# Allegro board 038RT-9068CJK8E-A100_0921_1.brd (continued)
## Routing (per net, layer and track width the routed paths; a pad name or vN(x,y) marks a point on that pad's centre or on a via; arc(x,y) is an arc through that point) (continued)
  L09_SIGNAL w0.105: SG2_P1_TXD3.1 208.21,280.4 206.75,278.95 205.21,278.95 203.38,277.12 203.38,269.11 202.18,267.9 196.17,267.9 195.38,267.12 195.38,254.63 193.95,253.2 129.83,253.2 128.19,254.85 128.19,276.39 127.5,277.08 120.64,277.08 117.58,274.02 112.9,274.02 110.62,271.74 106.23,271.74 105.9,271.41
SG2_P1_TXEN: length 266.1
  L07_SIGNAL w0.105: v1(98.2,273.42) 98.2,273.74 98.48,274.02 116.19,274.02 116.5,273.72 116.5,272.63 116.19,272.32 106.87,272.32 105.88,273.31 101.32,273.31 101.08,273.07 101.08,272.36 101.26,272.18 104.17,272.18 104.76,271.58 116.62,271.58 117.14,272.1 118.52,272.1 118.55,272.06 123.5,272.06 123.93,272.49 123.93,273.03 123.48,273.49 121.59,273.49 121.24,273.83 121.24,274.6 121.59,274.95 126.18,274.95 126.86,275.62 v2(126.86,282.25)
  L15_SIGNAL w0.105: v2(126.86,282.25) 128.18,280.92 128.18,273.92 130.91,271.19 151.39,271.19 152.04,270.54 152.04,268.59 151.32,267.88 149.03,267.88 148.35,267.19 148.35,266 149.16,265.19 193.71,265.19 196.28,267.76 208.15,267.76 210.91,270.52 210.91,273.66 223.78,286.53 234.89,286.53 239.6,291.24 269.85,291.24 275.43,285.65 275.43,281.75 v1(274.78,281.09)
  BOTTOM w0.115: v1(274.78,281.09) UNK2RR525.2
SG2_P1_VDDIO:
  vias: v1(96.6,273.42) v1(96.6,271.82) v1(96.84,278.38) v1(97.38,279.84) v1(97.38,279.21) v1(97.4,272.62)
SG2_P2_GIGA_MDI+: length 23.8
  TOP w0.105: GOLD2.A16 85.23,270.85 62.25,270.85 UNK2T24.4
SG2_P2_GIGA_MDI-: length 23.8
  TOP w0.105: GOLD2.A15 85.23,270.39 62.25,270.39 UNK2T24.3
SG2_P2_LED: length 26.4
  L05_SIGNAL w0.102: v1(91.8,270.22) 91.4,270.62 91.4,273.74 91.5,273.84
  L05_SIGNAL w0.105: v2(88.76,295.26) 89.46,294.56 89.46,288.34 90.25,287.55 90.25,277.62 91.57,276.3 91.57,273.91 91.5,273.84
SG2_P3_GIGA_MDI+: length 25
  TOP w0.105: GOLD2.A18 85.23,272.45 84.43,272.45 83.34,273.54 72.99,273.54 71.04,275.49 62.25,275.49 UNK2T25.4
SG2_P3_GIGA_MDI-: length 25
  TOP w0.105: GOLD2.A17 85.23,271.99 84.23,271.99 83.15,273.08 72.8,273.08 70.85,275.03 62.25,275.03 UNK2T25.3
SG2_P3_LED: length 25.9
  L05_SIGNAL w0.102: 93,273.84 93,270.62 v1(92.6,270.22)
  L05_SIGNAL w0.105: v2(92.57,295.26) 93.21,294.62 93.21,288.49 92.57,287.84 92.57,277.52 93,277.09 93,273.84
SG2_P4_HSI+: length 43.8
  L46_SIGNAL w0.136: v3(129.49,285.45) 129.3,285.64 arc(129.11,285.76) 128.89,285.81 128.51,285.81 arc(128.42,285.79) 128.34,285.74 126.37,283.77 arc(126.15,283.62) 125.89,283.57 120.87,283.57 arc(120.78,283.55) 120.7,283.5 117.78,280.58 arc(117.73,280.5) 117.72,280.42 117.72,270.72 arc(117.66,270.46) 117.52,270.24 116.85,269.57 arc(116.63,269.42) 116.37,269.37 103.75,269.37 arc(103.66,269.35) 103.59,269.3 102.89,268.61 arc(102.67,268.46) 102.41,268.41 99.87,268.41 arc(99.61,268.36) 99.39,268.21 v1(99,267.82)
SG2_P4_HSI-: length 43.8
  L46_SIGNAL w0.136: v3(129.49,286.62) 129.3,286.43 arc(129.11,286.3) 128.89,286.26 128.51,286.26 arc(128.24,286.21) 128.02,286.06 127.41,285.44 arc(127.28,285.36) 127.14,285.33 127.11,285.33 arc(126.98,285.3) 126.87,285.23 126.83,285.19 arc(126.75,285.08) 126.73,284.95 126.73,284.92 arc(126.7,284.77) 126.62,284.65 126.05,284.09 arc(125.98,284.04) 125.89,284.02 120.87,284.02 arc(120.6,283.97) 120.38,283.82 117.46,280.9 arc(117.31,280.68) 117.26,280.42 117.26,270.72 arc(117.25,270.63) 117.2,270.56 116.53,269.89 arc(116.45,269.84) 116.37,269.82 103.75,269.82 arc(103.49,269.77) 103.27,269.62 102.57,268.93 arc(102.5,268.88) 102.41,268.86 99.4,268.86 arc(99.25,268.83) 99.13,268.75 v1(99,268.62)
SG2_P4_HSO+: length 46.2
  TOP w0.105: GOLD2.W13 99.89,268.71 arc(99.97,268.77) 100.07,268.79 100.65,268.79 arc(100.87,268.83) 101.05,268.95 102.36,270.26 arc(102.48,270.44) 102.52,270.66 102.52,282.22 arc(102.53,282.26) 102.55,282.3 110.18,289.92 arc(110.21,289.94) 110.25,289.95 127.03,289.95 arc(127.07,289.94) 127.1,289.92 128.63,288.39 arc(128.72,288.33) 128.82,288.31 128.93,288.31 arc(128.96,288.31) 128.98,288.3 arc(129.14,288.26) 129.28,288.16 v1(129.49,287.96)
SG2_P4_HSO-: length 46.2
  TOP w0.105: GOLD2.W14 99.89,269.33 arc(99.97,269.27) 100.07,269.25 100.65,269.25 arc(100.69,269.26) 100.72,269.28 102.03,270.59 arc(102.05,270.62) 102.06,270.66 102.06,282.22 arc(102.1,282.44) 102.23,282.62 109.85,290.25 arc(110.03,290.37) 110.25,290.41 127.03,290.41 arc(127.25,290.37) 127.43,290.25 128.83,288.84 arc(128.91,288.79) 129.01,288.77 129.03,288.77 arc(129.13,288.79) 129.21,288.85 v1(129.49,289.12)
SG2_P5_HSI+: length 33.8
  L03_SIGNAL w0.102: v4(99,269.42) 99.2,269.63 arc(99.42,269.77) 99.67,269.82 99.91,269.82 arc(100.01,269.84) 100.1,269.9 100.11,269.91 arc(100.2,269.97) 100.31,269.99 100.66,269.99 arc(100.9,270.04) 101.11,270.18
  L03_SIGNAL w0.136: 101.11,270.18 104.9,273.97 arc(104.98,274.02) 105.06,274.04 110.82,274.04 arc(110.9,274.02) 110.98,273.97 111.18,273.78 arc(111.4,273.63) 111.66,273.58 117.45,273.58 arc(117.71,273.63) 117.93,273.78 118.2,274.05 arc(118.28,274.1) 118.37,274.12 125.22,274.12 arc(125.48,274.17) 125.7,274.32 128.11,276.72 arc(128.18,276.77) 128.27,276.79 128.89,276.79 arc(129.11,276.75) 129.3,276.62 v1(129.49,276.43)
SG2_P5_HSI-: length 33.8
  L03_SIGNAL w0.102: v4(99,270.22) 99.2,270.43 arc(99.42,270.57) 99.67,270.62 99.91,270.62 arc(100.01,270.6) 100.1,270.54 100.19,270.45 100.22,270.45
  L03_SIGNAL w0.136: 100.22,270.45 100.49,270.45 arc(100.72,270.49) 100.91,270.62 104.58,274.29 arc(104.8,274.44) 105.06,274.49 110.82,274.49 arc(111.08,274.44) 111.3,274.29 111.5,274.1 arc(111.57,274.05) 111.66,274.03 117.45,274.03 arc(117.54,274.05) 117.61,274.1 117.88,274.37 arc(118.1,274.52) 118.37,274.57 125.22,274.57 arc(125.3,274.59) 125.38,274.63 127.79,277.04 arc(128.01,277.19) 128.27,277.24 128.95,277.24 arc(129.12,277.27) 129.26,277.37 v1(129.49,277.6)
SG2_P5_HSO+: length 37.5
  BOTTOM w0.105: UNK2CS72.2 129.23,279.2 arc(129.13,279.27) 129.01,279.29 128.91,279.29 arc(128.86,279.28) 128.81,279.25 126.87,277.31 arc(126.69,277.19) 126.47,277.14 119.23,277.14 arc(119.19,277.14) 119.16,277.11 118.05,276.01 arc(118.03,275.97) 118.02,275.93 118.02,270.68 arc(117.97,270.46) 117.85,270.27 117.22,269.64 arc(117.03,269.52) 116.82,269.47 104.79,269.47 arc(104.57,269.52) 104.39,269.64 103.67,270.36 arc(103.64,270.38) 103.6,270.39 100.07,270.39 arc(99.97,270.37) 99.89,270.31 v1(99.8,270.22)
SG2_P5_HSO-: length 37.5
  BOTTOM w0.105: UNK2CS71.2 129.29,279.91 arc(129.12,279.8) 128.92,279.76 128.79,279.76 arc(128.67,279.73) 128.57,279.67 126.55,277.64 arc(126.51,277.62) 126.47,277.61 119.23,277.61 arc(119.01,277.57) 118.83,277.44 117.72,276.34 arc(117.6,276.15) 117.55,275.93 117.55,270.68 arc(117.54,270.63) 117.52,270.6 116.89,269.97 arc(116.86,269.95) 116.82,269.94 104.79,269.94 arc(104.75,269.95) 104.72,269.97 104,270.69 arc(103.82,270.81) 103.6,270.85 100.07,270.85 arc(99.97,270.87) 99.89,270.93 v1(99.8,271.02)
SG2_P5_LDOOUT: length 29.2
  L05_SIGNAL w0.102: v1(93.4,267.82) 93.8,268.22 100.22,268.22
  L05_SIGNAL w0.105: v2(121.14,266.37) 118.68,268.84 102.59,268.84 101.97,268.22 100.22,268.22
  vias: v1(92.6,267.82)
SG2_P5_LED: length 25.8
  L05_SIGNAL w0.102: v1(93.4,270.22) 93.8,270.62 93.8,273.84
  L05_SIGNAL w0.105: v2(94.47,295.26) 94.79,294.94 94.79,289.02 94.13,288.35 94.13,277.89 93.8,277.56 93.8,273.84
SG2_P5_MDI+: length 6.7
  BOTTOM w0.105: v1(85.4,262.22) 85.23,262.05 83.89,262.05 82.84,261 82.84,259.01 82.38,258.55 81.98,258.55 UNK2T21.3
SG2_P5_MDI-: length 6.7
  BOTTOM w0.105: UNK2T21.4 81.98,258.09 82.57,258.09 83.3,258.82 83.3,260.81 84.08,261.59 85.23,261.59 v1(85.4,261.42)
SG2_P5_RXC: length 73.5
  L07_SIGNAL w0.105: v2(121.14,291.77) 118.31,294.6 100.88,294.6 100.4,294.12 98.01,294.12 96.81,292.92 91.04,292.92 89.09,290.98 89.09,288.88 88.11,287.9 85.11,287.9 v1(83.94,289.07)
  L09_SIGNAL w0.102: v1(90.2,273.42) 90.2,273.47 90.55,273.82 90.55,273.84
  L09_SIGNAL w0.105: v1(83.94,289.07) 84.75,289.88 84.75,291.43 85.89,292.57 91.58,292.57 92.59,291.56 92.59,284.63 90.55,282.58 90.55,273.84
  BOTTOM w0.115: v1(83.94,289.07) UNK2RR904.2
SG2_P5_RXD0: length 77.5
  L07_SIGNAL w0.105: v2(126.86,291.77) 129.85,291.77 130.42,292.34 130.42,294.94 128.99,296.37 86.26,296.37 85.16,295.27 85.16,289.87 85.5,289.53 87.54,289.53 v1(88,289.07)
  L09_SIGNAL w0.102: 87.8,273.84 v1(87.8,273.42)
  L09_SIGNAL w0.105: v1(88,289.07) 88,283.96 88.27,283.69 88.27,276.95 87.6,276.28 87.6,274.04 87.8,273.84
  BOTTOM w0.115: v1(88,289.07) UNK2RR900.2
SG2_P5_RXD1: length 71.8
  L07_SIGNAL w0.105: v1(90.04,291.13) 91.27,292.37 97.04,292.37 98.24,293.56 100.78,293.56 101.27,294.05 114.07,294.05 122.37,285.75 122.37,285.23 123.61,283.99 124.11,283.99 126.12,281.98 126.12,278.33 124.68,276.89 122.13,276.89 v2(121.14,275.9)
  L09_SIGNAL w0.102: v1(88.6,272.62) 88.28,272.94 88.21,273.01 88.21,273.84
  L09_SIGNAL w0.105: v1(90.04,291.13) 88.82,289.92 88.82,276.43 88.21,275.81 88.21,273.84
  BOTTOM w0.115: v1(90.04,291.13) UNK2RR901.2
SG2_P5_RXD2: length 89
  L09_SIGNAL w0.102: 91.44,273.84 91.39,273.79 91.39,272.46 91.16,272.23 89.2,272.23 88.99,272.44 88.99,273.03 v1(88.6,273.42)
  L09_SIGNAL w0.105: 91.44,273.84 91.64,274.04 91.64,274.27 94.16,276.79 94.16,287.71 93.42,288.45 93.42,290.3 93.79,290.67 104.69,290.67 v1(106.29,289.07) 107.68,290.46 107.68,291.67 107.19,292.16 93.7,292.16 93.33,292.53 93.33,293.38 93.7,293.76 124.33,293.76 124.95,293.14 v2(124.95,291.77)
  BOTTOM w0.115: v1(106.29,289.07) UNK2RR902.2
SG2_P5_RXD3: length 73.6
  L07_SIGNAL w0.105: v1(92.07,291.13) 92.75,291.81 97.27,291.81 98.47,293.01 101.75,293.01 102.23,293.49 111.61,293.49 117.13,287.97 117.48,287.97 117.67,288.16 117.67,288.5 113.87,292.29 113.87,292.63 114.15,292.91 114.42,292.91 121.81,285.52 121.81,285 124.32,282.5 124.32,279.71 v2(124.95,279.07)
  L09_SIGNAL w0.102: 89.96,273.84 89.96,273.77 89.79,273.6 89.79,273.01 v1(89.4,272.62)
  L09_SIGNAL w0.105: v1(92.07,291.13) 91.52,290.58 91.52,288.89 89.96,287.33 89.96,273.84
  BOTTOM w0.115: v1(92.07,291.13) UNK2RR903.2
SG2_P5_RXDV: length 75.9
  L07_SIGNAL w0.105: v2(123.05,291.77) 124.49,293.22 127.66,293.22 128.24,293.8 128.24,295.33 127.76,295.81 92.31,295.81 88.47,291.98 86.82,291.98 v1(85.97,291.13)
  L09_SIGNAL w0.102: 89.27,273.84 89.27,273.55 v1(89.4,273.42)
  L09_SIGNAL w0.105: 89.27,273.84 89.27,275.21 89.41,275.35 89.41,287.62 90.89,289.11 90.89,291.09 90.26,291.71 86.55,291.71 v1(85.97,291.13)
  BOTTOM w0.115: v1(85.97,291.13) UNK2RR905.2
SG2_P5_TXC: length 278.1
  L07_SIGNAL w0.102: 100.22,270.64 100.19,270.61 92.38,270.61 92.19,270.8 92.19,272.23 v1(91.8,272.62)
  L07_SIGNAL w0.105: v2(123.05,288.6) 123.05,288.4 128.2,283.25 128.2,274.21 124.94,270.95 124.48,270.95 117.74,270.95 116.78,269.99 103.24,269.99 102.59,270.64 100.22,270.64
  L15_SIGNAL w0.105: v2(123.05,288.6) 123.78,289.34 126.03,289.34 128.49,291.8 149.89,291.8 150.74,290.95 150.74,288.01 149.93,287.2 134.36,287.2 133.47,286.31 133.47,282.09 135.06,280.5 138.28,280.5 139.22,281.44 140.67,281.44 142.27,283.04 142.76,283.04 143.86,281.94 147.58,281.94 148.63,280.9 185.27,280.9 186.1,281.73 186.1,287.01 188.53,289.44 206.13,289.44 213.51,296.83 271.29,296.83 282.91,285.21 v1(282.91,284.9)
  BOTTOM w0.115: v1(282.91,284.9) UNK2RR924.2
SG2_P5_TXD0: length 73.2
  L09_SIGNAL w0.102: v1(92.6,272.62) 92.2,273.02 92.2,273.74
  L09_SIGNAL w0.105: 92.2,273.74 92.2,274.04 93.98,275.83 95.92,275.83 96.8,276.71 105.01,276.71 105.77,277.47 109.9,277.47 111.27,278.84 116.12,278.84 120.69,283.42 128.28,283.42 130.99,286.13 131.36,286.13 132.57,287.33 143.84,287.33 144.57,286.6 146.39,286.6 147.12,287.33 155.79,287.33 SG2_P5_TXD0.1
SG2_P5_TXD1: length 142.6
  L09_SIGNAL w0.105: v1(92.6,273.42) 94.45,275.27 96.15,275.27 96.95,276.07 109.7,276.07 111.75,278.13 116.46,278.13 119.12,280.79 124.73,280.79 126.66,282.72 128.37,282.72 131.22,285.57 136.32,285.57 136.94,286.19 143.32,286.19 145.66,283.85 149.12,283.85 149.89,283.08 149.89,266.75 150.97,265.66 165.78,265.66 166.47,266.36 166.47,273.38 167.26,274.17 176.79,274.17 177.76,275.14 177.76,278.91 176.66,280.01 164.02,280.01 162.63,281.4 158.52,281.4 SG2_P5_TXD1.1
SG2_P5_TXD2: length 162.3
  L09_SIGNAL w0.102: v1(93.4,272.62) 93.8,273.02 93.8,273.67 93.97,273.84
  L09_SIGNAL w0.105: 93.97,273.84 94.8,274.68 96.7,274.68 96.78,274.59 109.81,274.59 112.79,277.57 116.69,277.57 119.35,280.23 125.82,280.23 126.98,281.39 130.67,281.39 132.03,282.76 134.29,282.76 137.17,285.63 143.09,285.63 148,280.72 148,266.22 149.39,264.84 177.98,264.84 178.75,265.61 178.75,267.53 178.13,268.15 174.73,268.15 174.37,268.5 174.37,270.79 174.73,271.15 178.21,271.15 179.17,272.11 179.17,278.73 177.32,280.58 165.21,280.58 162.38,283.4 162.38,286.47 163.34,287.43 170.93,287.43 SG2_P5_TXD2.1
SG2_P5_TXD3: length 276.4
  L07_SIGNAL w0.102: 100.22,271.41 93.66,271.41 92.99,272.08 92.99,273.01 v1(93.4,273.42)
  L07_SIGNAL w0.105: 100.22,271.41 103.35,271.41 104.22,270.55 116.48,270.55 117.43,271.5 124.71,271.5 127.62,274.41 127.62,282.87 125.76,284.73 124.52,284.73 123.99,285.26 123.99,285.76 v2(121.14,288.6)
  L15_SIGNAL w0.105: v1(276.81,284.9) 276.81,285.97 270.94,291.84 239.14,291.84 236.4,289.11 218.17,289.11 214.79,285.73 214.79,279.23 209.58,274.02 209.58,271.5 208.35,270.27 197.31,270.27 196.14,271.44 167.9,271.44 166.55,270.09 166.55,267.05 165.59,266.09 154.53,266.09 153.91,266.71 153.91,270.69 154.74,271.52 162.84,271.52 163.72,272.41 163.72,277.23 163.09,277.87 149.67,277.87 144.04,272.25 134.13,272.25 133.34,273.03 133.34,275.05 129.96,278.43 129.96,282.69 124.6,288.04 121.7,288.04 v2(121.14,288.6)
  BOTTOM w0.115: v1(276.81,284.9) UNK2RR923.2
SG2_P5_TXEN: length 281.8
  L07_SIGNAL w0.102: 100.22,269.83 91.59,269.83 91.39,270.02 91.39,273.01 v1(91.8,273.42)
  L07_SIGNAL w0.105: 100.22,269.83 101.54,269.83 102.06,269.3 117.15,269.3 118.2,270.36 125.18,270.36 130.2,275.38 130.2,282.18 124.95,287.43 v2(124.95,288.6)
  L15_SIGNAL w0.105: v1(280.88,281.09) 280.16,281.82 280.16,286.74 271.27,295.63 214.09,295.63 207.1,288.63 190.81,288.63 189.14,286.96 189.14,281.15 188.13,280.14 148.28,280.14 147.12,281.31 144.18,281.31 141.98,279.11 133.61,279.11 132.69,280.03 132.69,286.93 133.65,287.89 149.28,287.89 149.95,288.56 149.95,290.02 149.34,290.62 128.14,290.62 126.12,288.6 v2(124.95,288.6)
  BOTTOM w0.115: v1(280.88,281.09) UNK2RR925.2
SG2_P5_VDDIO:
  vias: v1(87.8,272.62) v1(91,273.42) v1(91,272.62) v1(91.49,279.84) v1(91.49,279.21)
SG2_P6_CLKREQB: length 27
  L09_SIGNAL w0.105: v2(123.05,263.2) 122.27,263.2 118.64,259.57 108.59,259.57 107.54,258.53 98.69,258.53 v1(98.2,259.02)
SG2_P6_HSI+: length 34
  BOTTOM w0.14: UNK2CS107.2 130.58,263.07 129.32,263.07 128,261.75 120.56,261.75 118.58,259.77 103.62,259.77 100.57,262.81 100,262.81
  BOTTOM w0.15: 100,262.81 v1(99.8,263.02)
SG2_P6_HSI-: length 34
  BOTTOM w0.14: UNK2CS108.2 130.58,262.68 129.48,262.68 128.16,261.36 120.72,261.36 118.74,259.38 103.45,259.38 100.41,262.42 100,262.42
  BOTTOM w0.15: 100,262.42 v1(99.8,262.22)
SG2_P6_HSO+: length 24.6
  TOP w0.14: UNK2CS102.2 122.32,256.32 arc(122.11,256.45) 121.87,256.5 120.9,256.5 arc(120.63,256.55) 120.4,256.71 117.9,259.21 arc(117.8,259.28) 117.68,259.3 102.55,259.3 arc(102.28,259.36) 102.06,259.51 100.83,260.73 arc(100.73,260.8) 100.61,260.82 100,260.82
  TOP w0.15: 100,260.82 GOLD2.W3
SG2_P6_HSO-: length 24.6
  TOP w0.14: UNK2CS101.2 122.32,257.08 arc(122.11,256.94) 121.87,256.89 120.9,256.89 arc(120.78,256.92) 120.68,256.98 118.17,259.49 arc(117.94,259.64) 117.68,259.69 102.55,259.69 arc(102.43,259.72) 102.33,259.79 101.11,261.01 arc(100.88,261.16) 100.61,261.21 100.13,261.21 arc(100.01,261.24) 99.91,261.31
  TOP w0.15: GOLD2.W4 99.91,261.31
SG2_P6_ISOLATEB: length 43.7
  L05_SIGNAL w0.102: 98.6,258.6 98.6,259.27
  L05_SIGNAL w0.105: 98.6,258.6 98.6,258.23 99.99,256.83 99.99,253.62 110.96,242.66 129.16,242.66 v2(131.3,240.52) ; 98.6,259.27 98.6,259.42 v1(98.2,259.82)
SG2_P6_LANWAKEB: length 25.1
  L09_SIGNAL w0.102: 100.22,260.22 97.8,260.22 v1(97.4,259.82)
  L09_SIGNAL w0.105: 100.22,260.22 118.16,260.22 v2(121.14,263.2)
SG2_P6_LED: length 26.2
  L05_SIGNAL w0.102: 94.6,273.84 94.6,270.62 v1(94.2,270.22)
  L05_SIGNAL w0.105: v2(96.38,295.26) 96.74,294.9 96.74,288.68 96.38,288.32 96.38,285.68 94.88,284.18 94.88,277.51 94.6,277.23 94.6,273.84
SG2_P6_MDI+: length 5.7
  L46_SIGNAL w0.102: v1(86.2,263.02) 85.8,262.62 85.18,262.62 85,262.45 84.98,262.45
  L46_SIGNAL w0.136: v1(81.46,263.77) 81.46,263.43 81.59,263.3 83.64,263.3 84.49,262.45 84.98,262.45
SG2_P6_MDI-: length 5.7
  L46_SIGNAL w0.102: 84.98,261.99 85,261.99 85.18,261.82 85.8,261.82 v1(86.2,262.22)
  L46_SIGNAL w0.136: v1(81.46,262.37) 81.46,262.71 81.59,262.85 83.45,262.85 84.3,261.99 84.98,261.99
SG2_P6_PCIE_RESETB: length 26.9
  L03_SIGNAL w0.145: v1(99,259.02) 99,257.43 102.48,253.95 102.48,251.2 112.95,240.72 112.95,238.68 v2(113.52,238.11)
SG2_P6_REFCLK+: length 32.1
  L05_SIGNAL w0.1: 100.46,259.64 101.43,259.64 104.39,256.68 106.71,256.68 108.93,254.47 112.53,254.47 118.38,248.62 122.5,248.62 122.62,248.5 122.62,248.3 122.74,248.18 122.9,248.18 123.02,248.3 123.02,248.5 123.14,248.62 123.56,248.62 123.82,248.35 123.82,247.42 123.72,247.32 v2(123.05,247.32)
  L05_SIGNAL w0.102: v1(99,259.82) 99.4,259.42 100.1,259.42 100.31,259.64 100.46,259.64 100.46,259.64
SG2_P6_REFCLK-: length 32.1
  L05_SIGNAL w0.1: v2(124.95,247.32) 124.28,247.32 124.18,247.42 124.18,248.5 123.71,248.98 118.53,248.98 112.68,254.83 109.08,254.83 106.87,257.04 104.54,257.04 101.59,260 100.46,260
  L05_SIGNAL w0.102: 100.46,260 100.31,260 100.1,260.22 99.4,260.22 v1(99,260.62)
SG2_P7_CLKREQB: length 31.4
  L09_SIGNAL w0.102: v1(96.6,262.22) 97,262.62 100.05,262.62 100.06,262.62 100.22,262.62
  L09_SIGNAL w0.105: v2(124.95,269.55) 123.98,268.57 120.94,268.57 116.68,264.32 105.94,264.32 104.24,262.62 100.22,262.62
SG2_P7_HSI+: length 32.8
  BOTTOM w0.14: UNK2CS117.2 130.58,265.93 127.94,265.93 126.7,264.7 104.43,264.7 102.3,266.83 99.99,266.83
  BOTTOM w0.15: v1(99.8,267.02) 99.99,266.83
SG2_P7_HSI-: length 32.8
  BOTTOM w0.14: UNK2CS118.2 130.58,265.54 128.1,265.54 126.87,264.31 104.27,264.31 102.14,266.44 100.16,266.44 100.16,266.43 100.01,266.43 100,266.42
  BOTTOM w0.15: 100,266.42 v1(99.8,266.22)
SG2_P7_HSO+: length 26.2
  TOP w0.14: UNK2CS112.2 122.32,258.82 arc(122.11,258.96) 121.87,259.01 121.69,259.01 arc(121.42,259.06) 121.2,259.21 119.48,260.93 arc(119.33,261.16) 119.28,261.42 119.28,262.63 arc(119.26,262.75) 119.19,262.85 117.98,264.06 arc(117.88,264.13) 117.76,264.15 102.15,264.15 arc(101.88,264.2) 101.65,264.36 101.28,264.73 arc(101.18,264.8) 101.06,264.82 100.13,264.82 arc(100.01,264.8) 99.91,264.73
  TOP w0.15: 99.91,264.73 GOLD2.W8
SG2_P7_HSO-: length 26.2
  TOP w0.14: 100,265.21 101.06,265.21 arc(101.32,265.16) 101.55,265.01 101.93,264.63 arc(102.03,264.56) 102.15,264.54 117.76,264.54 arc(118.03,264.49) 118.25,264.34 119.46,263.12 arc(119.62,262.9) 119.67,262.63 119.67,261.42 arc(119.69,261.3) 119.76,261.2 121.47,259.49 arc(121.57,259.42) 121.69,259.4 121.87,259.4 arc(122.11,259.45) 122.32,259.58 UNK2CS111.2
  TOP w0.15: 100,265.21 GOLD2.W9
SG2_P7_ISOLATEB: length 45.1
  L05_SIGNAL w0.102: v1(97.4,261.42) 97.8,261.02 97.8,258.6
  L05_SIGNAL w0.105: 97.8,258.6 97.8,257.89 99.02,256.67 99.02,253.3 110.23,242.09 128.46,242.09 v2(130.03,240.52)
SG2_P7_LANWAKEB: length 30.7
  L09_SIGNAL w0.102: 100.22,261.02 100.06,261.02 100.05,261.02 97,261.02 v1(96.6,261.42)
  L09_SIGNAL w0.105: 100.22,261.02 105.14,261.02 106.31,262.18 117.59,262.18 120.71,265.31 123.88,265.31 v2(124.95,266.37)
SG2_P7_PCIE_RESETB: length 31.2
  L05_SIGNAL w0.102: 97,258.6 97,261.82 v1(97.4,262.22)
  L05_SIGNAL w0.105: 97,258.6 97,257.11 98.39,255.72 98.39,252.88 109.99,241.29 112.49,241.29 112.83,240.95 112.83,240.21 v2(113.52,239.52)
SG2_P7_REFCLK+: length 32.4
  L05_SIGNAL w0.1: 100.46,262.84 100.48,262.84 100.48,262.84 100.61,262.84 103.19,262.84 106.22,259.8 111.03,259.8 117.22,253.62 122.18,253.62 122.9,252.9 122.9,252.74 122.76,252.59 122.76,252.43 122.87,252.31 123.04,252.31 123.18,252.45 123.35,252.45 123.82,251.99 123.82,250.6 123.72,250.5 v2(123.05,250.5)
  L05_SIGNAL w0.102: v1(99,263.02) 99.4,262.62 100.1,262.62 100.31,262.84 100.46,262.84
SG2_P7_REFCLK-: length 32.4
  L05_SIGNAL w0.1: v2(124.95,250.5) 124.28,250.5 124.18,250.6 124.18,252.14 122.34,253.98 117.37,253.98 111.18,260.17 106.37,260.17 103.34,263.2 100.46,263.2
  L05_SIGNAL w0.102: 100.46,263.2 100.31,263.2 100.1,263.42 99.4,263.42 v1(99,263.82)
SG2_PGATE: length 23.7
  L05_SIGNAL w0.102: v1(91,262.22) 91.4,261.82 91.4,258.6
  L05_SIGNAL w0.105: v2(95.74,240.52) 95.74,240.75 91.88,244.61 91.88,255.27 91.4,255.76 91.4,258.6
SG2_PH_GPIOA_1: length 94.9
  L11_SIGNAL w0.105: SG2_GPIOA1_2.1 53.27,250.43 53.27,248.34 59.47,242.14 127.43,242.14 128.11,241.46 128.11,237.76 v2(128.76,237.11)
  BOTTOM w0.115: UNK2RD180.2 129.37,243.17 129.37,237.29 129.19,237.11 v2(128.76,237.11)
SG2_PH_GPIOA_2: length 87.3
  L11_SIGNAL w0.105: v2(127.49,239.52) 126.89,240.12 126.89,240.88 126.35,241.42 58.65,241.42 52.1,247.96 SG2_GPIOA1_2.3
  BOTTOM w0.115: v2(127.49,239.52) 127.99,239.52 128.13,239.65 128.13,243.45 UNK2RD181.2
SG2_RESETB: length 28.5
  L03_SIGNAL w0.145: v2(112.25,238.11) 111.58,238.79 111.58,240.96 101.8,250.74 101.8,253.33 97.4,257.73 v1(97.4,259.02)
  BOTTOM w0.115: UNK2R584.1 v2(112.25,238.11)
SG2_RSET: length 1.3
  BOTTOM w0.115: UNK2R69.1 v1(85.4,266.22)
SG2_RTT: length 25.5
  L05_SIGNAL w0.102: 84.98,267.42 87.4,267.42 v1(87.8,267.02)
  L05_SIGNAL w0.105: 84.98,267.42 82.11,267.42 72.69,276.83 69.51,276.83 68.75,277.59 v1(68.75,279.71)
SG2_SPI_CSB: length 36.1
  L03_SIGNAL w0.102: v1(93.4,271.02) 93,271.42 93,273.74
  L03_SIGNAL w0.145: v1(64.02,280.78) 67.17,277.62 70.91,277.62 74.21,274.31 84.33,274.31 84.93,274.91 89.16,274.91 89.8,275.55 91.72,275.55 93,274.28 93,273.74
SG2_SPI_SCK: length 41.5
  L03_SIGNAL w0.102: v1(95.8,271.02) 95.4,271.42 95.4,273.74
  L03_SIGNAL w0.145: 95.4,273.74 95.4,275.27 92.72,277.95 88.8,277.95 88.17,277.31 83.94,277.31 83.34,276.71 75.22,276.71 65.44,286.49 v1(64.02,286.49)
SG2_SPI_SI: length 43.4
  L03_SIGNAL w0.102: v1(96.6,271.02) 96.2,271.42 96.2,274.52
  L03_SIGNAL w0.145: v1(64.02,288.42) 64.83,288.42 75.92,277.34 82.61,277.34 83.52,278.25 86.77,278.25 87.28,278.75 93.05,278.75 96.2,275.6 96.2,274.52
SG2_SPI_SO: length 38.4
  L03_SIGNAL w0.102: v1(94.2,271.02) 93.8,271.42 93.8,273.74
  L03_SIGNAL w0.145: v1(64.02,282.68) 66.89,279.81 66.89,279.02 67.49,278.42 71.24,278.42 74.54,275.11 84,275.11 84.6,275.71 88.83,275.71 89.47,276.35 92.05,276.35 93.8,274.61 93.8,273.74
SG2_SRC_DVDD09:
  vias: v1(116.8,263.06) v1(116.93,266.33) v1(117.44,263.06) v1(117.56,266.33) v2(72.25,330.83) v2(72.25,309.88) v2(72.25,306.07) v2(72.88,338.45) v2(72.88,337.19) v2(72.88,327.02) v2(72.88,317.5) v2(72.88,316.23) v2(73.52,330.83) v2(73.52,309.88) v2(74.15,338.45) v2(74.15,337.19) v2(74.15,317.5) v2(74.15,316.23) v2(74.79,330.83) v2(74.79,309.88) v2(78.6,330.83) v2(78.6,327.02) v2(78.6,309.88) v2(78.6,306.07) v2(79.23,338.45) v2(79.23,337.19) v2(79.23,317.5) v2(79.23,316.23) v2(79.87,330.83) v2(79.87,309.88) v2(80.5,338.45) v2(80.5,337.19) v2(80.5,317.5) v2(80.5,316.23) v2(81.14,330.83) v2(81.14,309.88) v2(84.95,330.83) v2(84.95,327.02) v2(85.58,338.45) v2(85.58,337.19) v2(86.22,330.83) v2(86.85,338.45) v2(86.85,337.19) v2(87.49,330.83) v2(91.3,330.83) v2(91.3,327.02) v2(91.93,338.45) v2(91.93,337.19) v2(92.57,330.83) v2(93.2,338.45) v2(93.2,337.19) v2(93.84,330.83) v2(144.36,452.36) v2(146.9,452.36)
SG2_SRC_DVDD33:
  vias: v1(85.37,246.82) v1(85.37,246.18) v1(93.25,246.82) v1(93.25,246.18) v1(93.43,287.54) v1(93.43,286.9) v1(95.09,287.54) v1(95.09,286.9) v1(95.16,246.82) v1(95.16,246.18) v1(95.72,287.54) v1(95.72,286.9) v1(114.74,275.1) v1(114.74,271.07) v1(115.37,275.1) v1(115.37,271.07) v1(116.8,256.08) v1(117.44,256.08) v2(84.95,309.88) v2(85.58,317.5) v2(85.58,316.23) v2(86.22,309.88) v2(86.85,317.5) v2(86.85,316.23) v2(87.49,309.88) v2(87.49,306.07) v2(91.3,309.88) v2(91.93,317.5) v2(91.93,316.23) v2(92.57,309.88) v2(93.2,317.5) v2(93.2,316.23) v2(93.84,309.88) v2(93.84,306.07) v2(97.65,309.88) v2(98.28,317.5) v2(98.28,316.23) v2(98.28,237.11) v2(98.92,309.88) v2(99.55,317.5) v2(99.55,316.23) v2(99.55,237.11) v2(100.19,309.88) v2(100.82,237.11) v2(101,429.12) v2(102.09,237.11) v2(103.36,237.11) v2(104,309.88) v2(104.63,317.5) v2(104.63,316.23) v2(104.63,237.11) v2(105.27,309.88) v2(105.9,317.5) v2(105.9,316.23) v2(105.9,237.11) v2(106.54,309.88) v2(106.54,306.07) v2(107.17,237.11) v2(108.44,237.11) v2(109.71,237.11) v2(110.35,309.88) v2(110.98,317.5) v2(110.98,316.23) v2(110.98,237.11) v2(111.16,429.12) v2(111.62,309.88) v2(112.25,317.5) v2(112.25,316.23) v2(112.25,237.11) v2(112.89,309.88) v2(114.79,237.11) v2(116.06,237.11) v2(116.7,309.88) v2(117.33,317.5) v2(117.33,316.23) v2(117.33,237.11) v2(117.97,309.88) v2(118.6,317.5) v2(118.6,316.23) v2(118.6,237.11) v2(119.24,309.88) v2(119.87,237.11) v2(121.14,237.11) v2(123.05,320.04) v2(123.05,316.23) v2(123.05,309.88) v2(124.32,320.04) v2(124.32,309.88) v2(124.95,240.52) v2(125.59,320.04) v2(125.59,309.88) v2(125.59,306.07) v2(129.4,320.04) v2(129.4,309.88) v2(130.67,320.04) v2(130.67,309.88) v2(131.94,320.04) v2(131.94,309.88) v2(138.81,447.85) v2(138.81,446.58) v2(138.86,444.97) v2(138.86,442.75) v2(140.57,447.85) v2(140.57,446.58) v2(142.34,447.85) v2(142.34,446.58) v2(143.5,446.98) v2(143.5,444.95) v2(143.5,442.91) v2(144.77,446.98) v2(144.77,444.95) v2(144.77,442.91) v2(146.04,446.98) v2(146.04,444.95) v2(146.04,442.91) v2(247.89,428.41) v2(251.02,428.41)
